# Altium PCB PCB.PcbDoc (part 3 of 3)
Units mm, origin at the board's own origin, x right, y up, seen from the top; angles counter-clockwise.
Board outline 138.43 x 79.63 mm, 2 copper layers (Top Layer, Bottom Layer), stack 1.57 mm thick; 201 components, 94 nets, 478 pads, 773 vias.
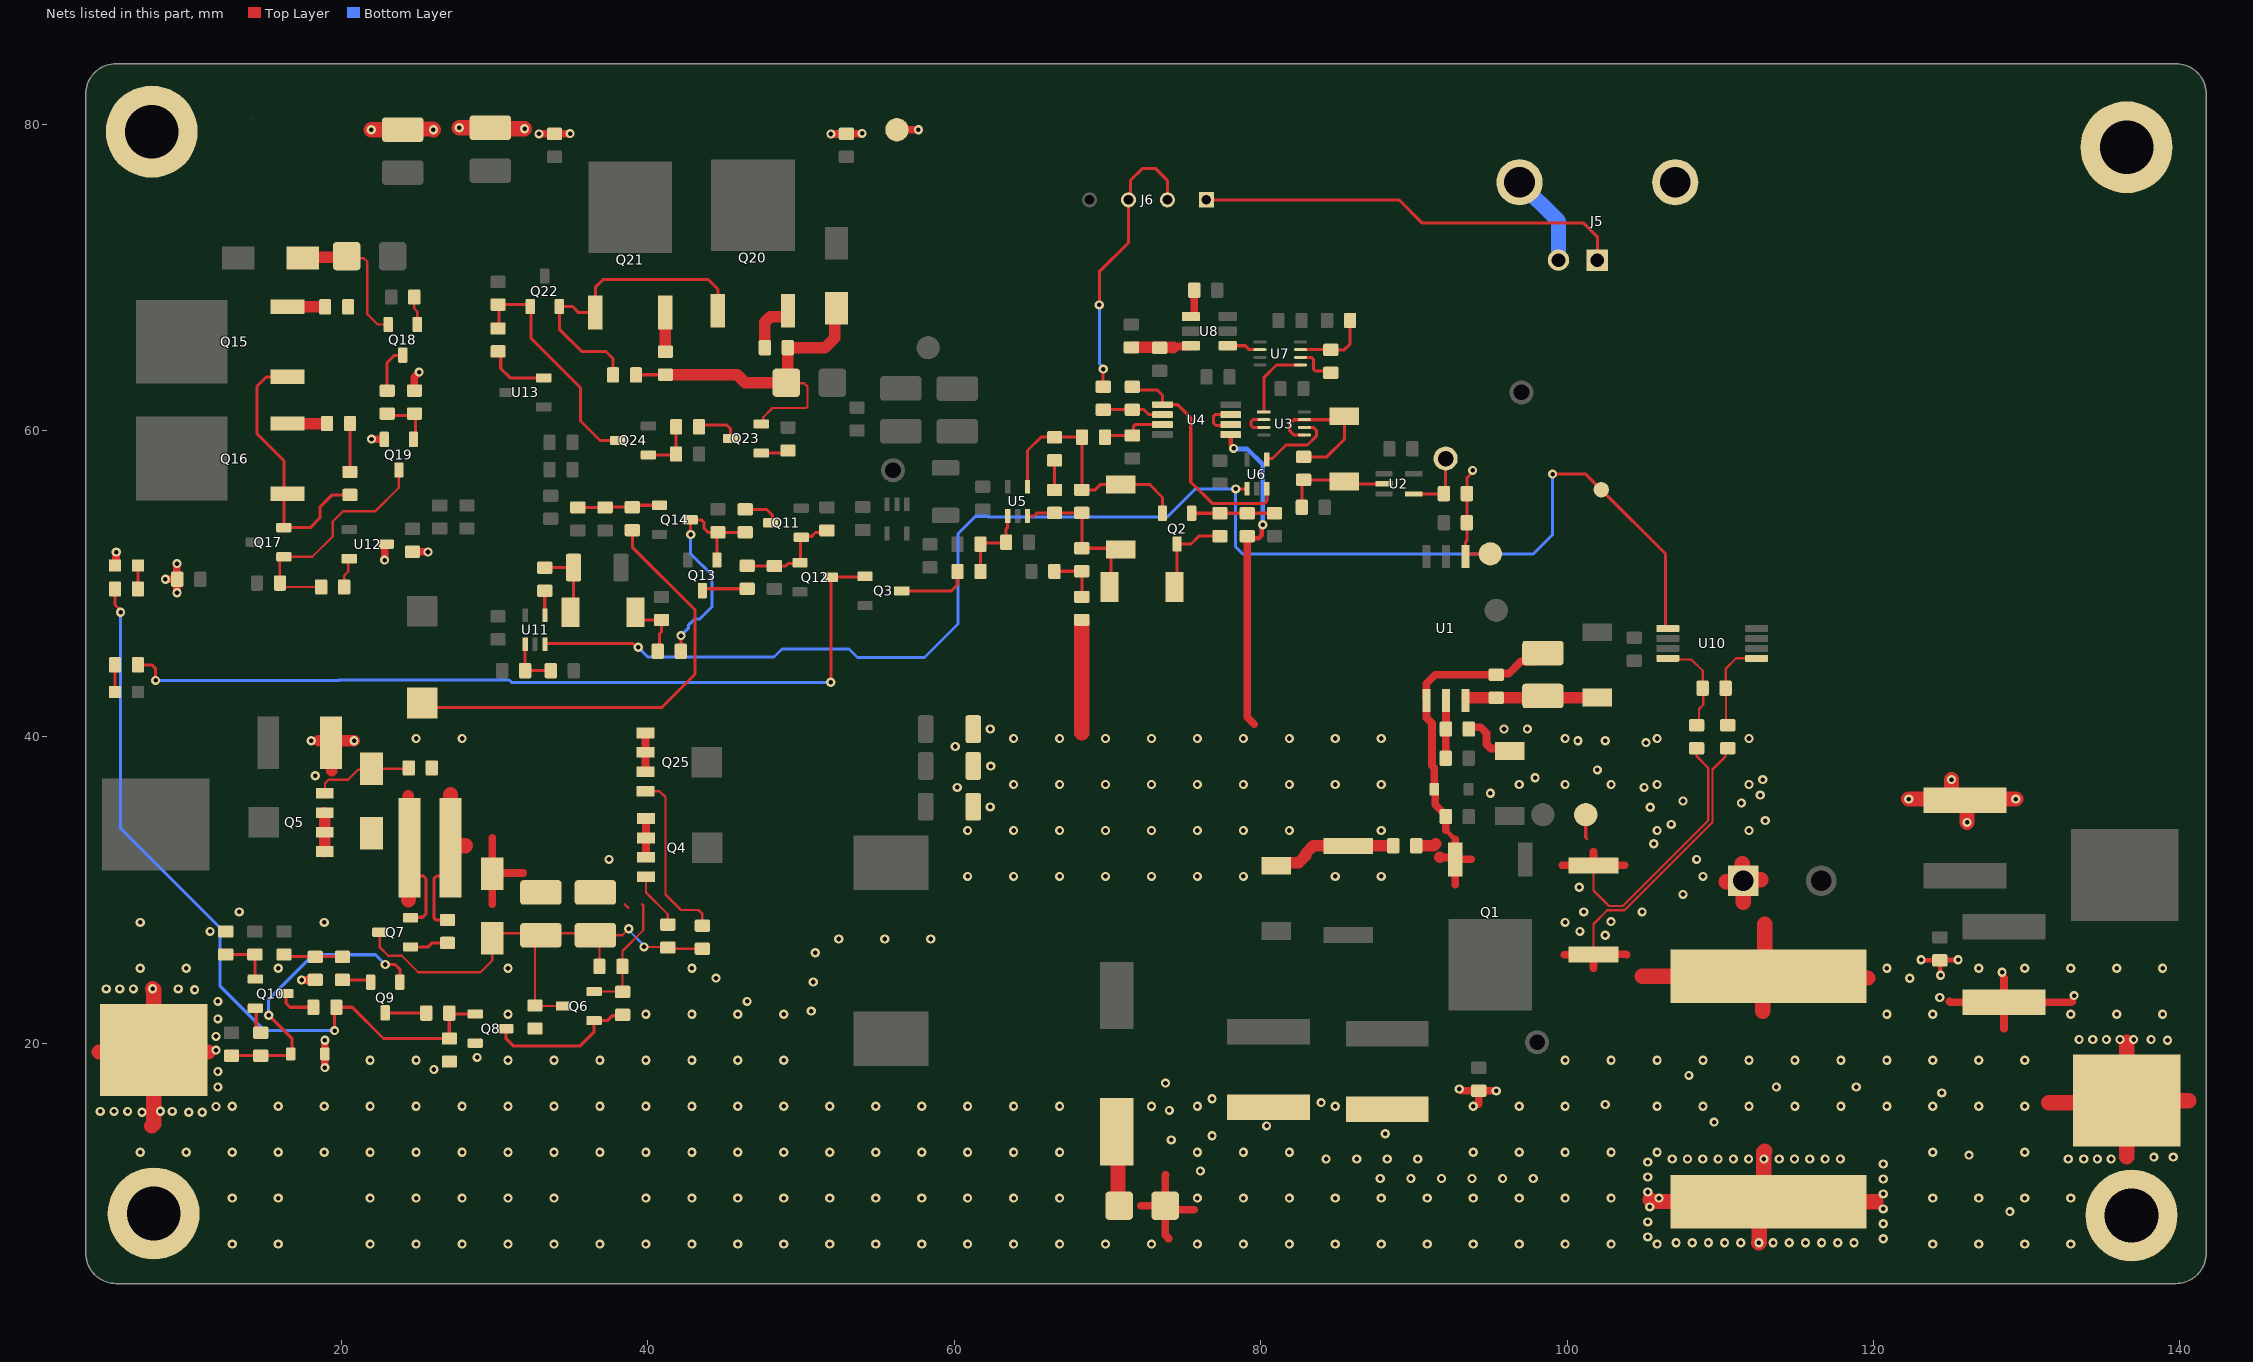
[diagram p3: the nets of this part, all layers, seen from the top]

## Via types
v1: diameter 0.6, hole 0.3, Top Layer to Bottom Layer, tented both sides, 773 vias

## Nets (pads, with @x,y where several pads share a name; then routed paths per layer and width w, separated by ;. In a path a pad name is that pad's centre, name@x,y a point inside that pad or via, vN(x,y) a via of type N, cw(c..) or ccw(c..) an arc to the next point about the centre after c; other vN are vias at no path point) (continued)
GND: C2.1 C3.1 C4.1 C5.1 C6.1 C7.1 C29.1 C31.1 C33.1 C34.1 C42.1 C43.1 C44.1 C45.1 C46.1 D12.A D15.K J3.1 J4.1 J5.2 J5.P1 J5.P2 L1.2 MH1.1 MH2.1 MH3.1 MH4.1 pad.5@56.261,79.629 Q8.2 Q19.2 R2.1 R9.2 R28.1 R29.1 R30.1 R31.1 R42.1 R46.1 R64.1 R65.1 U4.5 U12.3 | length 151.6
  Top Layer w0.3: U4.5@78.044,59.731 78.044,59.07 78.232,58.882 v1(78.232,58.829) ; R9.2@79.121,53.098 79.26,52.959 79.883,52.959 80.08,53.156 80.08,53.791 v1(80.137,53.848) ; 123.444,25.4 123.456,25.412 C5.1@124.333,25.412 ; v1(124.382,24.442) 124.357,24.466 124.357,25.388 C5.1@124.333,25.412 ; v1(125.525,25.458) 125.502,25.435 124.356,25.435 C5.1@124.333,25.412
  Top Layer w0.5: D15.K@5.219,51.181 5.283,51.245 5.283,52.04 v1(5.302,52.06) ; v1(8.509,50.292) C42.1@9.283,50.292 ; C42.1@9.252,50.761 9.252,51.289 v1(9.271,51.308) ; v1(9.271,49.403) 9.271,49.784 ; v1(17.399,24.13) 17.405,24.136 18.282,24.136 R42.1@18.288,24.142 ; v1(18.923,18.415) D12.A@18.923,19.304 v1(18.923,20.193) ; v1(21.965,59.44) 21.975,59.43 22.789,59.43 Q19.2@22.799,59.42 ; v1(22.82,51.541) 22.84,51.56 22.84,52.528 22.89,52.578 U12.3@22.917,52.578 ; R64.1@24.638,52.082 24.644,52.076 25.648,52.076 v1(25.654,52.07) ; R65.1@24.765,62.599 24.765,63.473 25.073,63.781 v1(25.073,63.808) ; v1@32.905,79.363 C46.1@33.909,79.363 ; C46.1@33.915,79.369 v1@34.919,79.369 ; v1@51.942,79.344 v1(51.952,79.353) 52.949,79.353 C43.1@52.959,79.363 52.969,79.373 53.966,79.373 v1@53.976,79.382 ; pad.5@56.261,79.629 v1(57.658,79.629) ; 72.187,9.398 R31.1@73.763,9.398 ; 73.787,11.43 73.763,11.406 73.763,9.779 R31.1@73.763,9.398 ; 73.987,7.239 73.987,7.266 73.763,7.49 R31.1@73.763,9.398 ; 75.655,9.144 74.017,9.144 R31.1@73.763,9.398 ; R9.2@79.121,53.098 79.121,41.275 79.577,40.819 ; v1(92.964,17.018) 92.991,17.018 93.099,16.91 94.243,16.91 94.256,16.897 95.371,16.897 v1(95.377,16.891) ; 94.246,16.014 C4.1@94.246,16.891 ; 124.968,22.733 125.025,22.676 C7.1@128.524,22.676 ; 128.524,20.955 C7.1@128.524,22.676 ; 128.524,24.257 C7.1@128.524,22.676 ; 132.969,22.733 132.912,22.676 C7.1@128.524,22.676
  Top Layer w0.75: 18.513,39.751 C31.1@19.702,39.751 ; C31.1@19.321,39.624 19.384,39.561 19.384,37.787 ; C31.1@19.765,39.688 C31.1@19.702,39.751 ; v1(20.828,39.751) C31.1@19.702,39.751
  Top Layer w1: 4.179,19.431 7.62,19.431 J3.1@7.747,19.558 ; 7.62,14.605 7.747,14.732 7.747,15.564 J3.1@7.747,19.558 ; v1(7.674,23.565) 7.747,23.492 J3.1@7.747,19.558 ; 11.303,19.431 7.874,19.431 J3.1@7.747,19.558 ; v1(21.942,79.635) 24,79.635 C44.1@24.003,79.632 24.044,79.673 25.967,79.673 v1(26.006,79.635) ; v1(27.686,79.756) 29.715,79.756 C45.1@29.718,79.759 ; C45.1@29.926,79.688 v1(31.955,79.688) ; 68.326,40.259 R2.1@68.326,47.491 ; 105.41,9.779 105.521,9.668 L1.2@112.849,9.668 ; v1(112.522,6.985) 112.541,7.004 112.541,9.36 L1.2@112.849,9.668 ; 112.903,12.954 112.849,12.9 L1.2@112.849,9.668 ; 120.142,9.652 112.865,9.652 L1.2@112.849,9.668 ; v1(122.301,35.941) C6.1@125.355,35.941 ; v1(125.095,37.211) 125.095,36.201 C6.1@125.355,35.941 ; v1(126.111,34.417) C6.1@126.111,35.744 ; v1(129.286,35.941) 126.054,35.941 C6.1@125.984,35.871 125.914,35.941 C6.1@125.355,35.941 ; 131.445,16.129 136.398,16.129 J4.1@136.525,16.256 ; 136.525,12.573 J4.1@136.525,16.256 ; 136.525,20.066 J4.1@136.525,16.256 ; 140.589,16.256 J4.1@136.525,16.256
  Bottom Layer w0.3: v1(78.232,58.829) 78.271,58.79 79.132,58.79 80.137,57.785 v1(80.137,53.848)
  Bottom Layer w1: J5.P1@96.901,76.2 99.441,73.66 J5.2@99.441,71.12
  other v1: 12.875,6.892 15.875,6.892 21.875,6.892 24.875,6.892 27.875,6.892 30.875,6.892 33.875,6.892 36.875,6.892 39.875,6.892 42.875,6.892 45.875,6.892 48.875,6.892 51.875,6.892 54.875,6.892 57.875,6.892 60.875,6.892 63.875,6.892 66.875,6.892 69.875,6.892 72.875,6.892 75.875,6.892 78.875,6.892 81.875,6.892 84.875,6.892 87.875,6.892 90.875,6.892 93.875,6.892 96.875,6.892 99.875,6.892 102.875,6.892 105.875,6.892 123.875,6.892 126.875,6.892 129.875,6.892 132.875,6.892 107.117,6.985 108.173,6.985 109.228,6.985 110.284,6.985 111.339,6.985 113.451,6.985 114.506,6.985 115.562,6.985 116.617,6.985 117.673,6.985 118.728,6.985 120.633,7.239 105.266,7.366 120.633,8.215 105.266,8.342 128.905,9.017 120.633,9.191 105.393,9.318 12.875,9.892 15.875,9.892 21.875,9.892 24.875,9.892 27.875,9.892 30.875,9.892 33.875,9.892 39.875,9.892 42.875,9.892 45.875,9.892 48.875,9.892 51.875,9.892 54.875,9.892 57.875,9.892 60.875,9.892 63.875,9.892 66.875,9.892 75.875,9.892 78.875,9.892 81.875,9.892 84.875,9.892 87.875,9.892 90.875,9.892 93.875,9.892 96.875,9.892 99.875,9.892 102.875,9.892 106.002,9.892 123.875,9.892 126.875,9.892 129.875,9.892 132.875,9.892 120.633,10.167 105.266,10.294 120.633,11.143 87.812,11.176 89.808,11.176 91.803,11.176 93.799,11.176 95.794,11.176 97.79,11.176 105.266,11.27 76.068,11.665 120.633,12.119 105.266,12.246 84.274,12.446 86.27,12.446 88.265,12.446 90.261,12.446 106.863,12.446 107.861,12.446 108.859,12.446 109.857,12.446 110.855,12.446 111.852,12.446 112.85,12.446 113.848,12.446 114.846,12.446 115.844,12.446 116.841,12.446 117.839,12.446 132.715,12.446 133.731,12.446 134.62,12.446 135.509,12.446 138.303,12.573 139.573,12.573 126.238,12.7 6.875,12.892 9.875,12.892 12.875,12.892 15.875,12.892 18.875,12.892 21.875,12.892 24.875,12.892 27.875,12.892 30.875,12.892 33.875,12.892 36.875,12.892 39.875,12.892 42.875,12.892 45.875,12.892 48.875,12.892 51.875,12.892 54.875,12.892 57.875,12.892 60.875,12.892 63.875,12.892 66.875,12.892 75.875,12.892 78.875,12.892 81.875,12.892 93.875,12.892 96.875,12.892 99.875,12.892 102.875,12.892 105.875,12.892 123.875,12.892 129.875,12.892 74.163,13.697 76.835,13.97 88.138,14.097 80.391,14.605 109.601,14.859 6.985,15.494 10.033,15.494 10.922,15.494 4.264,15.551 5.153,15.551 6.042,15.551 8.963,15.551 8.182,15.564 74.041,15.621 11.811,15.875 12.875,15.892 15.875,15.892 18.875,15.892 21.875,15.892 24.875,15.892 27.875,15.892 30.875,15.892 33.875,15.892 36.875,15.892 39.875,15.892 42.875,15.892 45.875,15.892 48.875,15.892 51.875,15.892 54.875,15.892 57.875,15.892 60.875,15.892 63.875,15.892 66.875,15.892 72.875,15.892 75.875,15.892 84.875,15.892 93.875,15.892 96.875,15.892 99.875,15.892 105.875,15.892 108.875,15.892 111.875,15.892 114.875,15.892 117.875,15.892 120.875,15.892 123.875,15.892 126.875,15.892 129.875,15.892 102.489,16.002 83.947,16.129 76.835,16.383 124.46,16.764 11.938,17.145 113.665,17.145 118.872,17.145 73.787,17.399 107.95,17.907 11.938,18.161 26.035,18.288 21.875,18.892 24.875,18.892 30.875,18.892 33.875,18.892 36.875,18.892 39.875,18.892 42.875,18.892 45.875,18.892 48.875,18.892 99.875,18.892 102.875,18.892 105.875,18.892 108.875,18.892 111.875,18.892 114.875,18.892 117.875,18.892 120.875,18.892 123.875,18.892 126.875,18.892 129.875,18.892 28.855,19.079 11.811,19.558 139.192,20.193 133.423,20.25 134.312,20.25 135.201,20.25 136.09,20.25 136.979,20.25 138.122,20.25 11.811,20.447 11.938,21.59 30.875,21.892 39.875,21.892 42.875,21.892 45.875,21.892 48.875,21.892 120.875,21.892 123.875,21.892 132.875,21.892 135.875,21.892 138.875,21.892 50.673,22.098 11.938,22.733 46.482,22.733 124.333,22.987 133.096,23.114 10.414,23.495 4.645,23.552 5.534,23.552 6.423,23.552 9.344,23.552 50.8,24.003 122.367,24.243 44.45,24.257 128.397,24.638 6.875,24.892 9.875,24.892 15.875,24.892 30.875,24.892 42.875,24.892 120.875,24.892 126.875,24.892 129.875,24.892 132.875,24.892 135.875,24.892 138.875,24.892 123.112,25.458 50.927,25.908 52.462,26.806 55.462,26.806 58.462,26.806 102.489,27.051 11.43,27.305 100.838,27.305 6.875,27.892 18.875,27.892 99.875,27.892 102.87,27.94 13.335,28.575 101.092,28.575 104.902,28.575 107.569,29.718 100.802,30.186 60.875,30.892 63.875,30.892 66.875,30.892 69.875,30.892 72.875,30.892 75.875,30.892 78.875,30.892 84.875,30.892 87.875,30.892 108.875,30.892 108.458,32.004 105.664,33.02 60.875,33.892 63.875,33.892 66.875,33.892 69.875,33.892 72.875,33.892 75.875,33.892 78.875,33.892 81.875,33.892 87.875,33.892 105.875,33.892 111.875,33.892 106.807,34.29 112.942,34.538 105.435,35.405 62.357,35.433 111.379,35.687 107.569,35.814 112.61,36.201 94.996,36.322 60.198,36.703 105.029,36.703 63.875,36.892 66.875,36.892 69.875,36.892 72.875,36.892 75.875,36.892 78.875,36.892 81.875,36.892 84.875,36.892 87.875,36.892 96.875,36.892 99.875,36.892 102.875,36.892 105.875,36.892 111.875,36.892 112.776,37.211 97.917,37.338 18.288,37.465 101.981,37.846 62.385,38.095 60.071,39.37 105.156,39.624 18.034,39.751 100.711,39.751 102.489,39.751 24.875,39.892 27.875,39.892 63.875,39.892 66.875,39.892 69.875,39.892 72.875,39.892 75.875,39.892 78.875,39.892 81.875,39.892 84.875,39.892 87.875,39.892 99.875,39.892 105.875,39.892 111.875,39.892 62.357,40.513 95.885,40.513 97.409,40.513 32.899,79.357 34.925,79.375 53.985,79.392
Latch: Q13.1 Q14.3 R38.1 R51.1 R52.2 | length 16.6
  Top Layer w0.2: R38.1@41.852,45.541 41.954,45.643 41.954,45.891 42.164,45.891 42.235,45.891 42.164,45.962 v1(42.164,46.609) ; v1(42.799,53.213) 42.799,54.136 Q14.3@42.767,54.168 43.495,54.168 43.676,53.987 43.676,53.606 43.942,53.34 44.565,53.34 R52.2@44.577,53.352 ; Q13.1@44.511,51.546 44.511,53.286 R52.2@44.577,53.352 ; R51.1@46.355,53.352 R52.2@44.577,53.352
  Bottom Layer w0.2: v1(42.164,46.609) 42.648,47.093 42.648,47.293 43.055,47.7 43.391,47.7 44.196,48.505 44.196,50.546 42.799,51.943 v1(42.799,53.213)
NetC1_2: C1.2 D1.C R3.2 | length 8.3
  Top Layer w0.75: D1.C@81.026,31.589 81.236,31.799 82.492,31.799 82.931,32.238 82.931,32.385 83.439,32.893 85.704,32.893 R3.2@85.725,32.872 85.735,32.883 88.648,32.883 C1.2@88.658,32.893
NetC8_2: C8.2 C9.2 D3.C U1.6 | length 8.9
  Top Layer w0.75: U1.6@93.475,42.557 C9.2@95.377,42.557 95.388,42.568 98.425,42.568 102.351,42.568 D3.C@102.362,42.579
NetC10_1: C10.1 D6.A Q2.3 | length 5.9
  Top Layer w0.2: D6.A@74.388,49.784 74.549,49.945 Q2.3@74.549,52.594 75.454,52.594 75.958,53.098 C10.1@77.343,53.098
NetC10_2: C10.2 Q2.1 R8.2 R9.1 | length 5.4
  Top Layer w0.2: Q2.1@75.499,54.594 75.503,54.598 C10.2@77.343,54.598 R9.1@79.121,54.598 R8.2@80.899,54.598
NetC11_1: C11.1 C12.1 D7.C Q2.2 R14.1 U5.4 | length 16.5
  Top Layer w0.2: U5.4@64.785,56.322 64.785,58.689 65.659,59.563 R14.1@68.338,59.563 68.338,56.134 C11.1@68.326,56.122 69.203,56.122 69.562,56.481 D7.C@70.866,56.481 72.749,56.481 73.599,55.631 Q2.2@73.599,54.594
NetC11_2: C11.2 D6.C D7.A R10.2 R13.1 U5.3 | length 11.3
  Top Layer w0.2: U5.3@64.785,54.422 65.217,54.422 65.417,54.622 R10.2@66.548,54.622 C11.2@68.326,54.622 R13.1@68.326,52.312 70.785,52.312 D7.A@70.866,52.231 70.716,52.231 70.231,51.746 70.231,49.877 D6.C@70.138,49.784
NetC12_2: C12.2 R10.1 | length 1.9
  Top Layer w0.2: R10.1@66.548,56.122 C12.2@66.548,58.051
NetC13_2: C13.2 D8.A R11.2 U2.2 | length 7.2
  Top Layer w0.2: C13.2@82.689,54.991 82.696,54.999 82.696,56.673 R11.2@82.804,56.781 85.366,56.781 D8.A@85.471,56.676 85.632,56.515 U2.2@88.062,56.515
NetC14_2: C14.2 R15.1 R17.2 U5.1 | length 5.3
  Top Layer w0.2: R17.2@61.71,50.8 R15.1@61.71,52.578 61.773,52.642 63.321,52.642 C14.2@63.385,52.705 63.385,53.582 63.485,53.682 U5.1@63.485,54.422
NetC22_2: C22.2 R20.2 U8.6 | length 3.9
  Top Layer w0.5: 74.283,65.417 74.348,65.482 75.401,65.482 U8.6@75.451,65.532
  Top Layer w0.75: R20.2@71.628,65.417 74.283,65.417 74.295,65.405
NetC23_1: C23.1 U7.6 | length 2.8
  Top Layer w0.2: U7.6@82.606,64.774 83.322,64.774 83.439,64.657 83.439,64.008 83.566,63.881 84.467,63.881 C23.1@84.582,63.766
NetC23_2: C23.2 R19.1 U7.7 | length 5
  Top Layer w0.2: U7.7@82.606,65.274 83.356,65.274 ; 83.435,65.274 83.356,65.274 ; R19.1@85.838,67.181 R19.1@85.84,67.183 85.84,65.647 85.459,65.266 C23.2@84.582,65.266 84.574,65.274 83.356,65.274
NetC26_1: C26.1 R23.2 U10.1 | length 6
  Top Layer w0.15: R23.2@110.49,40.755 110.371,40.875 110.371,43.161 C26.1@110.351,43.18 110.351,44.438 111.039,45.126 U10.1@112.374,45.126
NetC26_2: C26.2 R22.2 U10.8 | length 6.4
  Top Layer w0.15: U10.8@106.574,45.126 106.648,45.052 108.11,45.052 108.851,44.311 C26.2@108.851,43.18 108.895,43.136 108.895,42.093 108.619,41.817 108.619,40.916 R22.2@108.458,40.755
NetC28_1: C28.1 C32.1 D10.A Q6.3 Q7.3 R27.1 R29.2 R32.2 R33.2 | length 34.3
  Top Layer w0.15: Q7.3@22.511,27.244 22.511,26.257 23.05,25.717 23.939,25.717 25.019,24.638 29.083,24.638 29.845,25.4 D10.A@29.845,26.841 30.182,27.178 C32.1@36.576,27.178 ; C28.1@33.02,27.048 32.639,26.667 R29.2@32.639,22.467 32.677,22.429 Q6.3@34.618,22.429 ; R27.1@36.842,25.019 36.842,26.782 C32.1@36.576,27.048 38.333,27.048 v1(38.756,27.472) ; v1(39.751,26.289) 41.192,26.289 41.307,26.174 R32.2@43.561,26.174
  Bottom Layer w0.15: v1(38.756,27.472) 38.756,27.378 39.751,26.383 v1(39.751,26.289)
NetC28_2: C28.2 C32.2 D10.C Q4.1 Q6.2 Q25.1 R24.2 R25.2 R26.2 R27.2 | length 30.9
  Top Layer w0.15: Q6.2@36.493,23.379 R26.2@38.354,23.379 ; R26.2@38.354,23.356 38.342,23.368 R27.2@38.342,25.019 38.342,26.023 39.703,27.384 39.703,29.004 39.624,29.083 ; 38.481,29.083 38.735,28.829
  Top Layer w0.2: R24.2@27.121,32.766 27.121,31.537 26.501,30.917 26.218,30.917 26.035,30.734 26.035,28.188 26.168,28.055 R25.2@27.241,28.055
  Top Layer w0.5: 29.845,29.083 D10.C@29.845,31.071 D10.C@29.845,31.115 ; 29.845,33.401 D10.C@29.845,31.115 ; 31.877,31.115 D10.C@29.845,31.115 ; Q25.1@39.847,37.719 Q25.1@39.847,40.259 ; Q4.1@39.878,32.135 Q4.1@39.878,34.675
  Top Layer w1: R24.2@27.121,32.766 R24.2@27.121,32.766 ; 27.122,36.231 R24.2@27.121,32.766 ; 28.095,32.893 27.248,32.893 R24.2@27.121,32.766
  other v1: 37.465,32.004
NetC30_2: C30.2 R31.2 | length 6.3
  Top Layer w1: C30.2@70.612,14.219 70.687,14.143 70.687,9.473 R31.2@70.763,9.398 ; C30.2@70.866,14.219 C30.2@70.866,15.616
NetC36_2: C36.2 D11.C R38.2 | length 4
  Top Layer w0.2: D11.C@39.209,48.133 39.209,48.122 39.694,47.637 C36.2@40.894,47.637 40.894,46.863 40.767,46.736 40.767,45.708 R38.2@40.652,45.593
NetC37_2: C37.2 D11.A R39.1 | length 4.9
  Top Layer w0.2: R39.1@33.147,51.042 35.014,51.042 C37.2@35.026,51.054 ; D11.A@34.959,48.133 35.153,48.327 C37.2@35.153,51.054
NetC39_2: C39.2 Q14.1 R53.2 R54.2 | length 5.2
  Top Layer w0.2: C39.2@35.56,54.979 R54.2@37.211,54.979 ; R54.2@37.223,54.991 R53.2@38.989,54.991 ; R53.2@38.989,55.118 Q14.1@40.767,55.118
NetC51_2: C51.2 pad.5@94.996,51.943 R77.1 U1.1 | length 7.5
  Top Layer w0.2: v1(93.834,57.392) 93.834,57.284 93.472,56.922 93.472,55.892 R77.1@93.46,55.88 C51.2@93.46,53.975 93.46,52.798 93.367,52.705 U1.1@93.367,51.777 93.533,51.943 pad.5@94.996,51.943
NetC52_1: C52.1 Q11.1 Q12.1 R48.1 R50.2 | length 7.1
  Top Layer w0.2: R50.2@46.482,51.169 46.488,51.163 48.254,51.163 R48.1@48.26,51.157 48.998,51.157 49.149,51.308 49.866,51.308 Q12.1@49.927,51.369 49.974,51.417 49.974,52.977 Q11.1@50.022,53.025 50.094,53.097 50.705,53.097 50.948,53.34 51.55,53.34 C52.1@51.689,53.479
NetD2_1: D2.1 L1.1 R4.2 R23.1 | length 48.5
  Top Layer w0.15: R4.2@101.727,25.802 101.727,27.778 102.628,28.679 103.747,28.679 109.497,34.429 109.497,37.869 110.346,38.718 110.346,39.111 R23.1@110.49,39.255 ; R23.1@110.219,39.182 R23.1@110.49,39.453
  Top Layer w0.5: 99.822,25.781 101.706,25.781 R4.2@101.727,25.802 ; 101.727,24.892 R4.2@101.727,25.802 ; 103.886,25.781 103.865,25.802 R4.2@101.727,25.802
  Top Layer w1: 104.918,24.368 L1.1@112.849,24.368 ; 110.374,30.543 111.442,30.543 D2.1@111.494,30.595 ; 111.442,31.739 111.442,30.67 D2.1@111.506,30.607 ; 111.494,29.204 D2.1@111.494,30.595 ; 112.638,30.67 111.569,30.67 D2.1@111.506,30.607 ; 112.776,22.098 112.776,24.295 L1.1@112.849,24.368 ; 112.912,27.784 L1.1@112.912,24.305 ; 119.634,24.257 112.96,24.257 L1.1@112.912,24.305 ; D2.1@111.494,30.595 D2.1@111.506,30.607 ; L1.1@112.849,24.368 L1.1@112.912,24.305
NetD4_C: D4.C R5.1 | length 3.8
  Top Layer w0.5: R5.1@93.587,40.513 93.697,40.623 94.361,40.623 94.742,40.242 94.742,39.536 95.035,39.243 96.105,39.243 D4.C@96.266,39.082
NetD9_A: D9.A Q5.4 R28.2 | length 6.5
  Top Layer w0.15: Q5.4@18.923,36.322 18.923,36.955 19.178,37.21 19.623,37.21 19.624,37.211 20.447,37.211 21.084,37.848 21.89,37.848 D9.A@21.971,37.929 24.352,37.929 R28.2@24.396,37.973
NetD9_C: D9.C Q5.1 Q7.2 R24.1 | length 16.5
  Top Layer w0.2: R24.1@24.441,32.766 R24.1@24.441,31.344 ; Q7.2@24.688,28.194 24.72,28.226 25.305,28.226 25.527,28.448 25.527,30.734 25.344,30.917 25.028,30.917 R24.1@24.83,31.115 ; R24.1@24.441,31.344 24.441,30.846 24.622,30.665 24.622,31.163 R24.1@24.441,31.344
  Top Layer w0.75: Q5.1@18.923,32.512 Q5.1@18.923,35.052 ; 24.377,36.153 24.377,32.829 R24.1@24.441,32.766
  Top Layer w1: R24.1@24.314,32.639 R24.1@24.384,32.709 ; 24.384,29.379 R24.1@24.384,32.709 ; R24.1@24.441,32.766 R24.1@24.384,32.709
NetD12_K: D12.K Q9.1 R40.1 R44.1 | length 19.1
  Top Layer w0.2: R40.1@12.827,19.189 16.478,19.189 16.754,19.465 16.754,19.609 16.764,19.619 16.764,20.327 v1(15.254,21.837) ; v1(22.86,25.146) 23.495,25.146 23.81,24.831 Q9.1@23.81,23.987
  Bottom Layer w0.2: v1(15.254,21.837) 15.254,22.874 18.161,25.781 22.225,25.781 v1(22.86,25.146)
NetD13_A: D13.A Q18.2 R55.2 R56.2 R57.1 R59.2 | length 12.8
  Top Layer w0.15: R57.1@20.344,71.374 20.471,71.247 21.463,71.247 21.694,71.016 21.694,67.587 22.368,66.913 Q18.2@23.053,66.913
  Top Layer w0.2: R59.2@20.558,57.297 20.562,57.3 R56.2@20.562,60.452
  Top Layer w0.75: D13.A@17.482,71.247 17.546,71.31 20.28,71.31 R57.1@20.344,71.374 R57.1@20.41,71.308 ; R55.2@20.41,68.097 R55.2@20.435,68.072
NetD14_A: D14.A Q23.2 R66.2 R67.2 R68.2 R69.2 | length 24.1
  Top Layer w0.15: Q23.2@47.404,60.427 47.529,60.552 47.529,60.864 48.133,61.468 50.331,61.468 50.419,61.556 50.419,62.865 50.21,63.074 49.091,63.074 R68.2@49.046,63.119
  Top Layer w0.2: R69.2@39.231,63.627 39.243,63.639 R67.2@41.148,63.639
  Top Layer w0.75: R67.2@41.148,63.639 45.835,63.639 46.355,63.119 R68.2@49.046,63.119 49.137,63.21 R66.2@49.137,65.405 51.562,65.405 52.197,66.04 52.197,67.862 D14.A@52.324,67.989
NetD15_A: D15.A R49.1 | length 1.7
  Top Layer w0.2: D15.A@6.592,51.308 D15.A@6.719,51.181 R49.1@6.719,49.657
NetD16_A: D16.A R78.1 | length 1.8
  Top Layer w0.2: D16.A@5.219,42.926 R78.1@5.219,44.704
NetJ5_1: J5.1 J6.1 | length 28.1
  Top Layer w0.2: J6.1@76.454,75.057 89.027,75.057 90.551,73.533 101.092,73.533 101.981,72.644 J5.1@101.981,71.12
NetJ6_2: J6.2 J6.3 R16.1 | length 18.7
  Top Layer w0.2: v1(69.469,68.199) 69.469,70.358 71.374,72.263 J6.3@71.374,75.057 71.501,75.184 71.501,76.327 72.263,77.089 73.152,77.089 73.914,76.327 J6.2@73.914,75.057 ; R16.1@69.723,62.853 v1(69.723,64.008)
  Bottom Layer w0.2: v1(69.469,68.199) 69.469,64.37 69.723,64.116 v1(69.723,64.008)
NetQ3_2: Q3.2 Q12.3 R78.2 | length 55.5
  Top Layer w0.2: R78.2@6.719,44.704 6.719,44.604 6.819,44.704 7.62,44.704 7.874,44.45 v1(7.874,43.688) ; v1(51.943,43.561) 51.943,50.403 Q12.3@51.927,50.419 51.957,50.449 54.141,50.449 Q3.2@54.172,50.48
  Bottom Layer w0.2: v1(7.874,43.688) 7.893,43.669 19.793,43.669 19.831,43.707 30.952,43.707 31.098,43.561 v1(51.943,43.561)
NetQ3_3: Q3.3 R17.1 | length 4.7
  Top Layer w0.2: Q3.3@56.572,49.53 59.817,49.53 60.198,49.911 60.198,50.788 R17.1@60.21,50.8
NetQ4_4: Q4.4 R33.1 | length 3.7
  Top Layer w0.15: Q4.4@39.878,30.865 39.878,29.845 41.307,28.416 R33.1@41.307,27.745
NetQ6_1: Q6.1 Q8.3 R26.1 | length 9.7
  Top Layer w0.2: Q8.3@30.734,20.955 30.734,20.32 31.242,19.812 35.56,19.812 36.493,20.745 36.493,20.911 Q6.1@36.493,21.479 37.354,21.479 37.671,21.796 38.294,21.796 R26.1@38.354,21.856
NetQ7_1: Q7.1 R25.1 | length 2.8
  Top Layer w0.2: Q7.1@24.511,26.294 25.659,26.294 25.92,26.555 27.083,26.555 R25.1@27.178,26.555 ; R25.1@27.083,26.65 R25.1@27.114,26.682
NetQ8_1: Q8.1 R30.2 R45.1 R47.1 R49.2 | length 50.6
  Top Layer w0.2: R49.2@5.219,49.657 5.219,48.61 5.588,48.241 v1(5.588,48.133) ; v1(19.558,20.828) 19.558,22.237 R47.1@19.673,22.352 20.701,22.352 22.745,20.308 R30.2@27.051,20.308 27.039,20.32 R45.1@27.039,21.971 27.105,21.905 Q8.1@28.734,21.905
  Bottom Layer w0.2: v1(5.588,48.133) 5.588,34.019 12.084,27.523 12.084,23.73 14.986,20.828 v1(19.558,20.828)
NetQ9_2: Q9.2 R37.2 | length 1.9
  Top Layer w0.2: R37.2@20.193,24.142 21.71,24.142 21.91,23.942 Q9.2@21.91,23.844
NetQ9_3: Q9.3 R45.2 | length 2.7
  Top Layer w0.2: Q9.3@22.86,21.987 22.876,21.971 R45.2@25.539,21.971
NetQ10_1: Q10.1 R41.1 R46.2 | length 3.5
  Top Layer w0.2: R46.2@12.446,25.793 R41.1@14.351,25.793 14.355,25.79 14.355,24.219 Q10.1@14.383,24.191
NetQ10_2: Q10.2 R44.2 | length 1.6
  Top Layer w0.2: Q10.2@14.383,22.291 14.443,22.231 14.443,20.724 R44.2@14.478,20.689
NetQ10_3: Q10.3 R47.2 | length 2.5
  Top Layer w0.2: Q10.3@16.383,23.241 16.395,23.229 16.395,22.606 16.649,22.352 R47.2@18.173,22.352
NetQ11_3: Q11.3 R51.2 | length 2.5
  Top Layer w0.2: R51.2@46.355,54.852 47.747,54.852 48.133,54.466 48.133,54.086 Q11.3@48.022,53.975
NetQ13_3: Q13.3 R50.1 | length 3
  Top Layer w0.2: Q13.3@43.561,49.546 43.684,49.669 R50.1@46.482,49.669
NetQ15_1: Q15.1 Q16.1 Q17.2 R59.1 | length 18
  Top Layer w0.2: Q15.1@16.472,63.5 15.113,63.5 14.478,62.865 14.478,59.798 16.256,58.02 16.256,56.096 Q16.1@16.472,55.88 16.24,55.648 Q17.2@16.24,53.655 17.968,53.655 18.596,54.283 18.596,54.983 19.409,55.797 R59.1@20.558,55.797
NetQ15_3: Q15.3 R55.1 | length 2.5
  Top Layer w0.75: Q15.3@16.472,68.072 R55.1@18.935,68.072
NetQ16_3: Q16.3 R56.1 | length 2.6
  Top Layer w0.75: Q16.3@16.472,60.452 R56.1@19.062,60.452
NetQ17_1: Q17.1 Q19.3 R61.1 R63.2 | length 16.2
  Top Layer w0.15: R61.1@15.748,49.784 R63.2@18.808,49.784 ; R61.1@15.99,50.038 15.97,50.057 15.97,51.755 18.1,51.755 19.431,53.086 19.431,54.056 20.112,54.737 22.225,54.737 23.749,56.261 Q19.3@23.749,57.42
NetQ18_1: Q18.1 R60.1 | length 1.9
  Top Layer w0.15: R60.1@24.753,68.707 24.753,67.957 24.953,67.757 Q18.1@24.953,66.913
NetQ18_3: Q18.3 R62.2 | length 3.3
  Top Layer w0.2: R62.2@22.987,62.46 22.987,64.434 23.45,64.897 Q18.3@24.159,64.897
NetQ19_1: Q19.1 R62.1 R65.2 | length 3.6
  Top Layer w0.2: R62.1@22.987,60.96 22.993,60.966 24.759,60.966 24.765,60.972 24.826,60.911 Q19.1@24.826,59.166
NetQ20_1: Q20.1 Q21.1 Q22.2 R69.1 | length 20.9
  Top Layer w0.2: R69.1@37.731,63.627 37.731,64.688 37.268,65.151 35.687,65.151 34.224,66.614 Q22.2@34.224,68.088 35.096,68.088 35.493,67.691 Q21.1@36.576,67.691 36.576,69.342 37.084,69.85 43.942,69.85 44.577,69.215 Q20.1@44.577,67.818
NetQ20_3: Q20.3 R66.1 | length 3.7
  Top Layer w0.75: R66.1@47.637,65.405 47.637,67.068 47.993,67.424 49.054,67.424 49.149,67.519 Q20.3@49.149,67.818
NetQ21_3: Q21.3 R67.1 | length 2.6
  Top Layer w0.75: R67.1@41.148,65.139 Q21.3@41.148,67.691
NetQ22_1: Q22.1 Q24.3 R72.1 R73.2 | length 15.2
  Top Layer w0.2: R72.1@30.226,68.211 32.201,68.211 Q22.1@32.324,68.088 ; R73.2@30.275,66.704 R72.1@30.275,68.211 ; R73.2@30.343,66.645 R73.2@30.543,66.845 ; 32.385,67.547 32.385,66.003 35.609,62.779 35.609,60.62 36.879,59.35 Q24.3@38.038,59.35
NetQ23_1: Q23.1 R70.1 | length 2.4
  Top Layer w0.2: Q23.1@47.47,58.461 Q23.1@47.404,58.527 49.252,58.527 R70.1@49.325,58.6 ; R70.1@48.749,58.813 R70.1@49.149,58.813
NetQ23_3: Q23.3 R74.2 | length 3
  Top Layer w0.2: R74.2@43.164,60.366 45.134,60.366 45.404,60.096 Q23.3@45.404,59.477
NetQ24_1: Q24.1 R74.1 R76.2 | length 3.4
  Top Layer w0.2: Q24.1@40.038,58.4 41.783,58.4 R76.2@41.844,58.461 ; R76.2@41.844,58.715 R74.1@41.844,60.239
NetQ25_4: Q25.4 R32.1 | length 11.5
  Top Layer w0.15: Q25.4@39.847,36.449 40.767,36.449 41.148,36.068 41.148,29.718 42.164,28.702 43.307,28.702 43.561,28.448 R32.1@43.561,27.674
NetR1_1: R1.1 R2.2 R13.2 | length 3.7
  Top Layer w0.2: R1.1@66.542,50.794 R1.1@66.536,50.8 ; R1.1@66.663,50.927 R1.1@66.536,50.8 ; R2.2@68.314,49.149 R2.2@68.326,49.137 R13.2@68.326,50.812 66.548,50.812 R1.1@66.536,50.8
NetR5_2: R5.2 R6.2 U1.5 | length 3.8
  Top Layer w0.5: R6.2@92.087,38.608 R5.2@92.087,40.513 ; U1.5@92.097,42.379 92.103,42.373 R5.2@92.103,40.513
NetR12_1: R12.1 R14.2 U4.3 | length 4.4
  Top Layer w0.2: R14.2@69.838,59.563 69.945,59.67 71.62,59.67 71.694,59.744 71.694,60.261 71.814,60.381 U4.3@73.594,60.381
NetR16_2: R16.2 R18.1 U4.2 | length 4
  Top Layer w0.2: R16.2@69.723,61.353 69.726,61.356 72.39,61.356 72.715,61.031 U4.2@73.594,61.031
NetR18_2: R18.2 U4.1 U6.3 | length 15.6
  Top Layer w0.2: R18.2@71.628,62.853 71.828,62.653 73.237,62.653 73.594,62.296 U4.1@73.594,61.681 74.59,61.681 75.438,60.833 75.438,56.642 76.835,55.245 80.264,55.245 80.406,55.387 U6.3@80.406,56.2
NetR21_2: R21.2 U8.4 | length 1.9
  Top Layer w0.5: U8.4@75.451,67.432 75.619,67.432 75.669,67.482 R21.2@75.669,69.151
NetR35_1: R35.1 R43.2 U11.1 | length 3.5
  Top Layer w0.2: U11.1@31.989,46.04 31.989,44.459 31.853,44.323 R35.1@33.54,44.323
NetR36_1: R36.1 R37.1 R42.2 | length 4.1
  Top Layer w0.2: R36.1@16.256,25.793 16.395,25.654 18.288,25.654 R37.1@19.8,25.654 ; R37.1@20.066,25.515 19.927,25.654 R37.1@20.181,25.654
NetR39_2: R39.2 U11.4 | length 1.7
  Top Layer w0.2: R39.2@33.274,49.669 33.274,47.955 U11.4@33.289,47.94
NetR53_1: R53.1 SW1.2 | length 29.9
  Top Layer w0.2: SW1.2@25.273,42.212 25.575,41.91 40.894,41.91 43.076,44.092 43.076,48.291 38.989,52.378 R53.1@38.989,53.491
NetR63_1: R63.1 U12.1 | length 2.1
  Top Layer w0.15: R63.1@20.246,49.849 R63.1@20.181,49.784 20.181,50.534 20.447,50.8 20.447,51.558 U12.1@20.517,51.628
NetR73_1: R73.1 U13.1 | length 4.2
  Top Layer w0.2: R73.1@30.402,65.204 30.402,64.049 31.017,63.434 U13.1@33.204,63.434
NetR77_2: R77.2 TP2.1 U2.4 | length 4.3
  Top Layer w0.2: U2.4@89.992,55.855 91.935,55.855 92.075,55.995 TP2.1@92.075,58.166
NetU4_6: U4.6 U4.7 | length 2.8
  Top Layer w0.2: U4.6@78.044,60.381 77.988,60.325 77.089,60.325 76.914,60.5 76.914,60.914 77.031,61.031 U4.7@78.044,61.031
NetU6_1: pad.2@102.235,56.134 U6.1 U10.5 U11.3 | length 98.3
  Top Layer w0.2: U11.3@33.289,46.04 33.322,46.04 33.364,46.082 39.027,46.082 39.262,45.847 v1(39.37,45.847) ; v1(78.372,56.187) 79.093,56.187 U6.1@79.106,56.2 ; v1@99.08,57.149 101.22,57.149 pad.2@102.235,56.134 106.424,51.945 106.424,47.201 106.549,47.076 U10.5@106.574,47.076
  Bottom Layer w0.2: v1(39.37,45.847) 40.005,45.212 48.233,45.212 48.76,45.739 53.13,45.739 53.685,45.184 58.056,45.184 60.243,47.371 60.243,53.258 61.385,54.4 62.147,54.4 62.192,54.356 73.914,54.356 75.745,56.187 v1(78.372,56.187) 78.372,53.213 78.359,53.2 78.359,52.406 78.822,51.943 97.79,51.943 99.06,53.213 v1(99.06,57.15)
NetU7_2: U7.2 U8.1 | length 2.2
  Top Layer w0.2: U8.1@77.851,65.532 78.994,65.532 79.25,65.276 79.952,65.276 U7.2@79.954,65.274
Q: D8.C R11.1 U3.5 U3.7 | length 10
  Top Layer w0.2: R11.1@82.804,58.281 84.316,58.281 85.471,59.436 D8.C@85.471,60.926 85.247,60.702 U3.7@82.86,60.702 82.165,60.702 81.898,60.435 81.898,59.961 82.157,59.702 U3.5@82.86,59.702
Q\: U3.2 U3.3 | length 2
  Top Layer w0.2: U3.3@80.208,60.202 79.492,60.202 79.375,60.319 79.375,60.579 79.502,60.706 79.668,60.706 79.67,60.704 80.206,60.704 U3.2@80.208,60.702
RESET: U3.6 U6.4 | length 5.1
  Top Layer w0.2: U6.4@80.406,58.1 80.472,58.166 80.772,58.166 81.661,59.055 83.058,59.055 83.634,59.631 83.634,60.009 83.441,60.202 U3.6@82.86,60.202
SET: U3.1 U7.5 | length 5
  Top Layer w0.2: U3.1@80.208,61.202 80.208,63.444 81.038,64.274 U7.5@82.606,64.274
Source: C1.1 C8.1 C9.1 D5.A pad.2@101.219,34.925 Q1.3 R4.1 R7.1 R22.1 U1.4 | length 49.5
  Top Layer w0.15: R4.1@101.727,31.602 101.727,29.972 102.743,28.956 103.632,28.956 109.22,34.544 109.22,37.973 108.475,38.718 108.475,39.2 R22.1@108.331,39.344
  Top Layer w0.2: pad.2@101.219,34.925 101.219,33.424 101.308,33.335
  Top Layer w0.3: U1.4@90.827,41.689 U1.4@90.827,42.379 ; 92.087,33.921 92.71,33.298
  Top Layer w0.5: U1.4@90.817,42.39 90.819,42.392 90.819,43.477 91.399,44.057 C9.1@95.477,44.057 ; U1.4@90.827,41.689 90.827,41.253 91.186,40.894 91.186,38.134 91.341,37.979 D5.A@91.341,36.576 ; D5.A@91.308,36.543 91.406,36.445 91.406,35.579 92.087,34.898 92.087,33.921 ; 91.694,32.131 92.583,32.131 Q1.3@92.71,32.004 ; 92.71,30.353 Q1.3@92.71,32.004 ; 92.71,33.298 Q1.3@92.71,32.004 ; 93.726,32.004 Q1.3@92.71,32.004 ; C9.1@95.377,44.057 95.453,44.133 96.203,44.133 96.989,44.919 97.875,44.919 C8.1@98.425,45.469 ; 99.695,31.623 101.706,31.623 R4.1@101.727,31.602 ; 101.727,32.512 R4.1@101.727,31.602 ; 103.759,31.623 101.748,31.623 R4.1@101.727,31.602
  Top Layer w0.75: C1.1@90.158,32.893 91.313,32.893 91.44,33.02 ; 91.682,32.143 91.694,32.131
pads on no net: FM1.FM FM2.FM FM3.FM U1.2 U2.1 U8.5 U10.4

## Polygon pours and split planes (outlines as drawn)
+24V on Top Layer "Top Layer-+24V" (solid, remove dead copper, pour order 9): 3.258,30.48 16.891,30.48 17.653,31.242 17.653,46.863 14.987,48.496 15.113,74.549 6.731,74.549 5.302,73.12 5.302,52.197 9.779,52.197 9.779,41.656 3.317,41.656
+24V_IF on Top Layer "+24V_IF_L01_P005" (solid, remove dead copper, pour order 5): 41.402,28.829 58.801,28.829 59.563,29.591 59.563,41.529 41.402,41.529
+24V_Buck on Top Layer "+24V_BUCK_L01_P003" (solid, remove dead copper, pour order 3): 51.943,22.86 51.943,18.542 52.705,17.78 97.663,17.78 99.314,19.431 99.314,27.559 97.917,28.956 64.389,28.956 62.992,27.559 62.992,24.13 61.722,22.86
NetD13_A on Top Layer "NETD13_A_L01_P004" (solid, remove dead copper, pour order 4): 19.939,59.817 21.209,59.817 21.209,72.39 19.812,72.39 19.812,59.985
NetC28_2 on Top Layer "NETC28_2_L01_P006" (solid, remove dead copper, pour order 6): 30.988,36.703 30.988,40.767 32.004,41.783 40.894,41.783 40.894,28.448 27.94,28.448 26.416,28.829 26.416,36.703
NetD9_C on Top Layer "NETD9_C_L01_P007" (solid, remove dead copper, pour order 7): 17.78,36.576 17.78,30.628 19.579,28.829 25.273,28.829 25.273,36.576
NetD2_1 on Top Layer "Top Layer-NetD2_1" (solid, remove dead copper, pour order 8): 119.888,21.453 120.386,21.95 120.386,27.581 120.063,27.93 113.919,27.93 113.528,28.42 113.528,32.639 110.236,32.639 109.855,32.258 109.855,28.575 109.21,27.93 103.622,27.93 103.622,26.406 99.812,26.406 99.431,26.406 99.431,21.453
+12V on Top Layer "Top Layer-+12V" (solid, remove dead copper, pour order 10): 22.08,69.977 29.132,69.977 29.132,69.088 64.389,69.088 64.389,78.486 22.08,78.486
-7V on Top Layer "-7V_L01_P011" (solid, remove dead copper, pour order 11): 51.054,67.183 51.054,60.969 64.389,60.969 64.389,67.183
-12V on Top Layer "-12V_L01_P012" (solid, remove dead copper, pour order 12): 76.454,70.485 76.454,65.532 79.375,65.532 81.153,65.532 81.661,66.04 81.661,70.485
-7V on Top Layer "-7V_L01_P022" (solid, remove dead copper, pour order 13): 82.169,63.627 83.566,63.627 83.566,60.96 82.169,60.96
GND on Top Layer "GND_L01_P014" (solid, remove dead copper, pour order 14): 3.556,24.003 3.556,14.224 11.303,14.224 12.319,15.24 12.319,24.003
-12V on Top Layer "Top Layer--12V" (solid, remove dead copper, pour order 15): 111.786,41.699 113.665,39.82 113.665,28.552 114.169,28.048 120.558,28.048 120.558,26.459 131.145,26.459 141.25,26.459 141.25,52.875 141.123,52.875 141.123,83.676 3.319,83.676 2.43,82.787 2.43,41.699
Source on Top Layer "SOURCE_L01_P016" (solid, remove dead copper, pour order 16): 91.186,34.036 91.186,28.829 100.076,28.829 100.076,30.988 104.267,30.988 104.267,34.036
GND on Top Layer "Top Layer-GND" (solid, remove dead copper, pour order 17): 3.808,4.335 141.349,4.335 141.349,26.04 120.671,26.04 120.671,43.296 3.808,43.296
GND on Bottom Layer "Bottom Layer-GND" (solid, remove dead copper, pour order 58): 3.039,4.687 140.326,4.687 141.215,5.576 141.215,34.811 141.467,35.063 141.467,82.942 141.088,82.937 141.088,83.046 139.945,84.189 2.912,84.189 2.912,40.247 3.039,40.249
+12V on Bottom Layer "+12V_PLANE" (solid, remove dead copper, pour order 41): 29.083,74.422 66.167,74.422 66.167,68.961 29.083,68.961
-12V on Bottom Layer "Bottom Layer--12V" (solid, remove dead copper, pour order 49): 131.826,41.298 131.826,74.422 25.908,74.422 25.908,40.917
GND on Bottom Layer "GND_L02_P057" (solid, pour order 57): 102.489,45.212 102.489,41.91 113.411,41.91 113.538,42.037 113.538,45.212

## Keep-outs
Keep-Out Layer:
  the board outline again, w0.5

## Other copper
Top Layer:
  pour cut-out: 21.971,71.882 22.352,71.882 22.352,69.977 21.971,69.977
  pour cut-out: 130.048,38.354 121.285,38.354 121.285,33.782 130.048,33.782
Multi-Layer:
  pour cut-out: 64.516,51.435 64.516,49.276 65.532,49.276 65.532,51.435

## Silkscreen, mask and mechanical layers (free items; w line width, h text height)
Top Overlay:
  lines w0.1: 74.041,76.782 74.041,77.343 75.438,77.343 76.2,77.343 76.2,76.782
  text "GND" at 57.912,81.898 h1.52 r180
  text "Designed By Mohamed Drissi" at 131.699,81.121 h1.52 r180
  text "Ext ramp" at 77.851,78.85 h1.52 r180
  text "12V" at 59.309,72.39 h1.52
  text "-7V" at 57.277,66.675 h1.52
  text "-12V" at 99.568,61.468 h1 r90
  text "PWM" at 92.383,59.801 h1 r90
  text "CS" at 101.854,56.913 h1.52
  text "VREF" at 54.102,56.389 h1 r90
  text "UVLO/OVLO" at 7.376,53.721 h0.9 r270
  text "PWM" at 97.282,50.292 h1.52 r90
  text "OCP RESET" at 19.568,47.498 h0.9 r270
  text "OCP" at 8.519,44.831 h0.9 r270
  text "+24V" at 4.277,39.675 h3
  text "S" at 100.965,36.085 h1.52
  text "G" at 98.425,35.958 h1.52
  text "-12V" at 132.41,28.967 h3 r90
  text "Vin" at 7.946,25.083 h3 r90
  text "Vout" at 133.655,23.185 h3
  text "24V_Buck" at 96.011,17.704 h1
  text "GND" at 131.263,12.908 h3 r90
  text "GND" at 4.653,12.755 h3
Top Dimensions:
  the board outline again, w0.5

## Dimensions
3.302,6.318 to 141.732,6.318 on Top Dimensions
139.732,83.947 to 139.732,4.318 on Top Dimensions

## Text inside footprints (layer, text, board x,y; h text height)
C30: Top Overlay "+" at 72.705,24.674 h0.5 r90; Mechanical 13 "+" at 72.705,24.674 h0.5 r90